# Altium PCB MB1272C.PcbDoc (part 3 of 10)
Units mm, origin at the board's own origin, x right, y up, seen from the top; angles counter-clockwise.
Board outline 101 x 71 mm, 6 copper layers (Top Layer, Signal Layer 1, Signal Layer 2, Signal Layer 3, Signal Layer 4, Bottom Layer), stack 1.552 mm thick; 520 components, 478 nets, 2156 pads, 1894 vias.
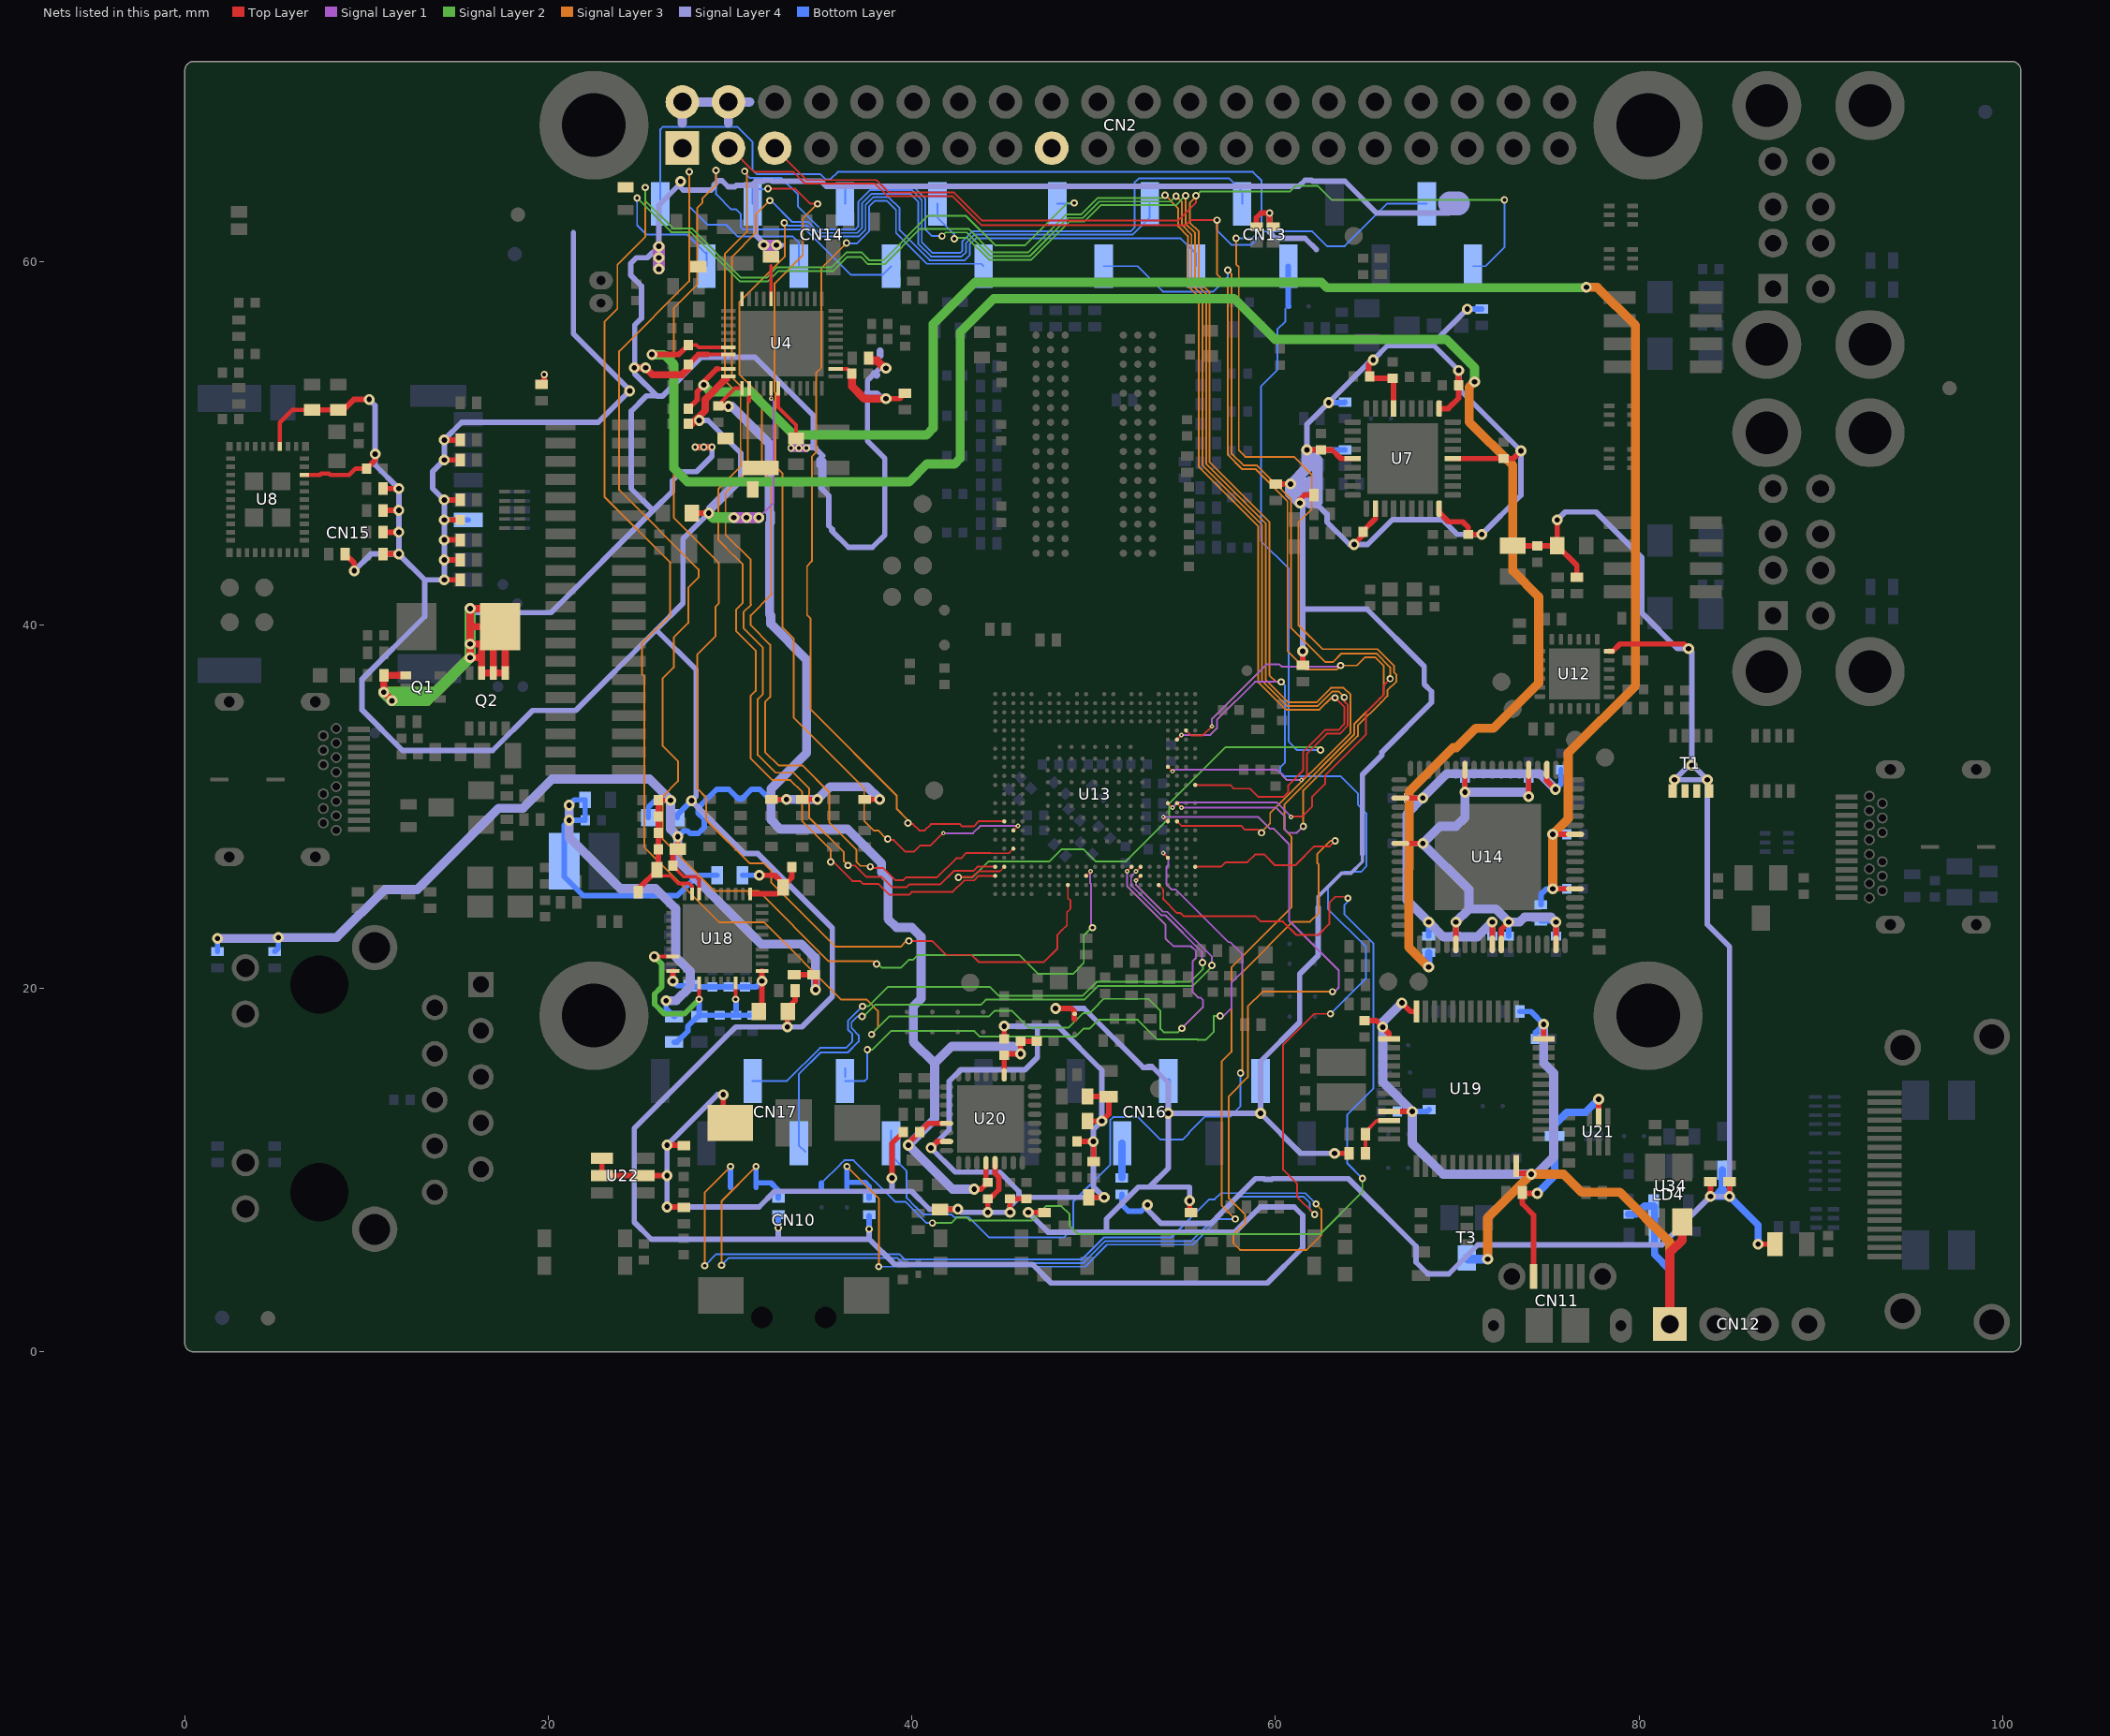
[diagram p7: the nets of this part, all layers, seen from the top]

## Part data (continued)
U1 U2 U6 U9 U29: library part MCD-00649, "Common mode filter with ESD protection for USB 2.0 interface", Manufacturer=STMICROELECTRONICS, Manufacturer_Part_Number=ECMF02-2AMX6, BMS_Part_Number=9151138, ComponentLink1Description=Datasheet, ComponentLink1URL=http://tunmcdsvn.tun.st.com/Component_Datasheet_Library/Trunk/Diodes/STM_ESD_ECMF02-2AMX6, ECCN_EU=NEC, ECCN_US=EAR99, Initial_Board_Reference=MB1248, Internal_Part_Number=MCD-00649, Part_Type=Diode, Provided_By="SUBCO with ST control", Status=Released
U3 U11: library part MCD-00123, "IC,Dual-Channel-Power-Switch,500mA,100mR,SO8", Manufacturer=STMICROELECTRONICS, BMS_Part_Number=9159012, ComponentLink1Description=Datasheet, ComponentLink1URL=http://tunmcdsvn.tun.st.com/Component_Datasheet_Library/Trunk/IC/STM_PWR_switch_STMPS2252MTR, ECCN_EU=NEC, ECCN_US=EAR99, Initial_Board_Reference=MB1262, Internal_Part_Number=MCD-00123, Manufacturer_Part_Number=STMPS2252MTR, Part_Type=IC, Provided_By="SUBCO with ST control", Status=Released
U4: library part MCD-01650, "ST PMIC:  4 step-down + 1 advanced boost SMPS, 6 LDOs, 2 pwr switches, DDR Vref, NVM option 'A' for IO@3.3V", Manufacturer=STMICROELECTRONICS, Manufacturer_Part_Number=STPMU1APQR, BMS_Part_Number=9177718, ComponentLink1Description=Datasheet, ComponentLink1URL=http://tunmcdsvn.tun.st.com/Component_Datasheet_Library/Trunk/IC/STM_PMIC_LuftBurg_5x6_44L_20_01_2016, ECCN_EU=n/a, ECCN_US=n/a, Initial_Board_Reference=MB1263, Internal_Part_Number=MCD-00303, Part_Type=IC, Provided_By="SUBCO with ST control", Status=Checked
U5: library part MCD-00207, "Memory,DDR3L,4Gb,256Mbx16,1866MT/s,1V35,FBGA96", Manufacturer=MICRON, Manufacturer_Part_Number=MT41K256M16TW-107-P-V00H, ComponentLink1Description=Datasheet, ComponentLink1URL=http://tunmcdsvn.tun.st.com/Component_Datasheet_Library/Trunk/IC/Micron_4Gb_DDR3L_MT41K256M16TW-107P-V00H, ECCN_EU=n/a, ECCN_US=n/a, Initial_Board_Reference=MB1263, Internal_Part_Number=MCD-00207, Part_Type=IC, Provided_By=SUBCO, Status=Released
U7: library part MCD-00145, "USB HUB 2,0 Controller", Manufacturer=MICROCHIP, ComponentLink1Description=Datasheet, ComponentLink1URL="http://tunmcdsvn.tun.st.com/Component_Datasheet_Library/Trunk/IC/Microchip_HS Hub Controller_USB2514B-AEZC", ECCN_EU=NEC, ECCN_US=EAR99, Initial_Board_Reference=MB1262, Internal_Part_Number=MCD-00145, Manufacturer_Part_Number=USB2514B-AEZC, Part_Type=IC, Provided_By=SUBCO, Status=Released
U8: library part MCD-00268, "IEEE802.11b/g/n W-LAN + Bluetooth 4.1+EDR module", Manufacturer=MURATA, ComponentLink1Description=Datasheet, ComponentLink1URL=http://tunmcdsvn.tun.st.com/Component_Datasheet_Library/Trunk/IC/MURATA_LBEE5KL1DX_wifi_BLE, ECCN_US=5A992C, Initial_Board_Reference=MB1272, Internal_Part_Number=MCD-00268, Manufacturer_Part_Number=LBEE5KL1DX-883, Part_Type=IC, Provided_By=SUBCO, Status=Checked
U10 U26: library part MCD-00667, "4-line ESD protection for high speed lines", Manufacturer=STMICROELECTRONICS, Package=uQFN-10L, BMS_Part_Number=9179041, ComponentLink1Description=Datasheet, ComponentLink1URL=http://tunmcdsvn.tun.st.com/Component_Datasheet_Library/Trunk/Diodes/STM_ESD_HSP051-4M10, ECCN_EU=NEC, ECCN_US=EAR99, Initial_Board_Reference=MB1331, Internal_Part_Number=MCD-00667, Manufacturer_Part_Number=HSP051-4M10, Part_Type=Diode, Provided_By="SUBCO with ST control", Status=Checked
U12: library part MCD-00676, "USB Type-C controller with VCONN switch", Manufacturer=STMICROELECTRONICS, Manufacturer_Part_Number=STUSB1600AQTR, BMS_Part_Number=9158053, ComponentLink1Description=Datasheet, ComponentLink1URL=http://tunmcdsvn.tun.st.com/Component_Datasheet_Library/Trunk/IC/STM_usbtypeC_controller_STUSB1600, ECCN_EU=n/a, ECCN_US=n/a, Initial_Board_Reference=MB1272, Internal_Part_Number=MCD-00676, Part_Type=IC, Provided_By="SUBCO with ST control", Status="Footprint available"
U13: library part MCD-02020, "MPU TFBGA12x12 without crypto increased frequency", Manufacturer=STMICROELECTRONICS, BMS_Part_Number=9175503, ComponentLink1Description=Datasheet, ComponentLink1URL=http://tunmcdsvn.tun.st.com/Component_Datasheet_Library/Trunk/IC/STM_MPU_12x12_POA_DM00342580_POA12x12, ECCN_EU=TBD, ECCN_US=TBD, Initial_Board_Reference=MB1272, Internal_Part_Number=MCD-00677, Manufacturer_Part_Number=STM32MP157CAC3, Part_Type=IC, Provided_By="SUBCO with ST control", Status="Footprint available"
U14: library part MCD-00267, "HDMI Transmitter, 72-pin 10 × 10 mm QFN", Manufacturer=LATTICE, Manufacturer_Part_Number=SiI9022ACNU, ComponentLink1Description=Datasheet, ComponentLink1URL=http://tunmcdsvn.tun.st.com/Component_Datasheet_Library/Trunk/IC/LATTICE_SiI9022ACNU_HDMI_Transmitter, Initial_Board_Reference=MB1272, Internal_Part_Number=MCD-00267, Part_Type=IC, Provided_By=SUBCO, Status=Checked
U15 U17: library part MCD-01125, "DUAL TRANSIL ARRAY FOR ESD PROTECTION", Manufacturer=STMICROELECTRONICS, Manufacturer_Part_Number=ESDA25L, Package=ESD_SOT23, BMS_Part_Number=9151131, ComponentLink1Description=Datasheet, ComponentLink1URL=http://tunmcdsvn.tun.st.com/Component_Datasheet_Library/Trunk/Diodes/STM_ESD_ESDA25L, ECCN_EU=NEC, ECCN_US=EAR99, Initial_Board_Reference=MB1272, Internal_Part_Number=MCD-01125, Part_Type=Diode, Provided_By="SUBCO with ST control", Status=Checked
U16 U23 U24 U25 U27 U28 U30: library part MCD-01026, "High power transient voltage suppressor", Manufacturer=STMICROELECTRONICS, Manufacturer_Part_Number=ESDA7P120-1U1M, Package=QFN1610, BMS_Part_Number=9179046, ComponentLink1Description=Datasheet, ComponentLink1URL=http://tunmcdsvn.tun.st.com/Component_Datasheet_Library/Trunk/Diodes/STM_ESD_ESDA7P120-1U1M, ECCN_EU=NEC, ECCN_US=EAR99, Initial_Board_Reference=MB1378, Internal_Part_Number=MCD-01026, Part_Type=Diode, Provided_By="SUBCO with ST control", Status=Released
U18: library part MCD-01130, "10/100/1000M GIGABIT Ethernet Transceiver, QFN40 , SMPS version", Manufacturer=REALTEK, ComponentLink1Description=Datasheet, ComponentLink1URL=http://tunmcdsvn.tun.st.com/Component_Datasheet_Library/Trunk/IC/REALTEK_RTL8211F_RGMII_phy, ECCN_EU=n/a, ECCN_US=n/a, Initial_Board_Reference=MB1272, Internal_Part_Number=MCD-01130, Manufacturer_Part_Number=RTL8211F-CG, Part_Type=IC, Provided_By=SUBCO, Status=Checked
U19: library part MCD-00085, "Medium-density performance line ARM-based 32-bit MCU with 128KB Flash", Manufacturer=STMICROELECTRONICS, Manufacturer_Part_Number=STM32F103CBT6, BMS_Part_Number=9175111, ComponentLink1Description=Datasheet, ComponentLink1URL=http://tunmcdsvn.tun.st.com/Component_Datasheet_Library/Trunk/IC/STM_STM32F103CBT6, ECCN_EU=NEC, ECCN_US=3A991A2, Initial_Board_Reference=mb1274, Internal_Part_Number=MCD-00085, Part_Type=IC, Provided_By="SUBCO with ST control", Status=Released
U20: library part MCD-00265, "Low-Power, Stereo Codec with Headphone Amp", Manufacturer="CIRRUS LOGIC", Manufacturer_Part_Number=CS42L51-CNZ, ComponentLink1Description=Datasheet, ComponentLink1URL="http://tunmcdsvn.tun.st.com/Component_Datasheet_Library/Trunk/IC/Cirrus Logic_CS42L51", ECCN_EU=NEC, ECCN_US=EAR99, Initial_Board_Reference=MB1272, Internal_Part_Number=MCD-00265, Part_Type=IC, Provided_By=SUBCO, Status=Released
U21: library part MCD-00169, "USB OTG FS ESD protection", Manufacturer=STMICROELECTRONICS, Manufacturer_Part_Number=USBLC6-2P6, BMS_Part_Number=9151057, ComponentLink1Description=Datasheet, ComponentLink1URL=http://tunmcdsvn.tun.st.com/Component_Datasheet_Library/Trunk/Diodes/STM_ESD_USBLC6-2, ECCN_EU=NEC, ECCN_US=EAR99, Initial_Board_Reference=MB1274, Internal_Part_Number=MCD-00169, Part_Type=IC, Provided_By="SUBCO with ST control", Status=Released
U22: library part MCD-00247, "Quad Bidir ESD protection", Manufacturer=STMICROELECTRONICS, Manufacturer_Part_Number=ESDA6V1BC6, BMS_Part_Number=9179038, ComponentLink1Description=Datasheet, ComponentLink1URL=http://tunmcdsvn.tun.st.com/Component_Datasheet_Library/Trunk/Diodes/STM_ESD_ESDA6V1BC6, ECCN_EU=NEC, ECCN_US=EAR99, Initial_Board_Reference=MB1311, Internal_Part_Number=MCD-00247, Part_Type=Diode, Provided_By="SUBCO with ST control", Status=Released
U31 U32: library part MCD-00297, "ESD protection & Common Filter High Speed serial Interfaces", Manufacturer=STMICROELECTRONICS, Manufacturer_Part_Number=ECMF04-4HSWM10, BMS_Part_Number=9151127, ComponentLink1Description=Datasheet, ComponentLink1URL=http://tunmcdsvn.tun.st.com/Component_Datasheet_Library/Trunk/Diodes/STM_ESD_ECMF04-4HSWM10, ECCN_EU=n/a, ECCN_US=n/a, Initial_Board_Reference=MB1272, Internal_Part_Number=MCD-00297, Part_Type=Diode, Provided_By="SUBCO with ST control", Status=Checked
U33: library part MCD-01457, "ESD protection , 5 lines", Manufacturer=STMICROELECTRONICS, Package=QFN, ComponentLink1Description=Datasheet, ComponentLink1URL=http://tunmcdsvn.tun.st.com/Component_Datasheet_Library/Trunk/Diodes/STM_ESD_ESDALC6V1-5M6/STM_ESD_ESDALC6V1-5M6.pdf, Initial_Board_Reference=MB1272B, Internal_Part_Number=MCD-01457, Manufacturer_Part_Number=ESDALC6V1-5M6, Part_Type=Diode, Provided_By=SUBCO, Status="Footprint available"
U34: library part MCD-00086, "Ultra low drop-low noise BiCMOS voltage, regulators low ESR capacitors compatible", Manufacturer=STMICROELECTRONICS, Manufacturer_Part_Number=LD3985M33R, BMS_Part_Number=9176161, ComponentLink1Description=Datasheet, ComponentLink1URL=http://tunmcdsvn.tun.st.com/Component_Datasheet_Library/Trunk/IC/STM_LDO_LD3985, ECCN_EU=NEC, ECCN_US=EAR99, Initial_Board_Reference=mb1274, Internal_Part_Number=MCD-00086, Part_Type=IC, Provided_By="SUBCO with ST control", Status=Released
U35: library part MCD-00170, "ESD protection 6V1", Manufacturer=STMICROELECTRONICS, Manufacturer_Part_Number=ESDALC6V1-1U2, BMS_Part_Number=9151132, ComponentLink1Description=Datasheet, ComponentLink1URL=http://tunmcdsvn.tun.st.com/Component_Datasheet_Library/Trunk/Diodes/STM_ESD_ESDALC6V1-1U2, ECCN_EU=NEC, ECCN_US=EAR99, Initial_Board_Reference=MB1274, Internal_Part_Number=MCD-00170, Part_Type=Diode, Provided_By="SUBCO with ST control", Status=Released
X1: library part MCD-01036, "Crystal 24MHz, 6pF, +-20ppm, 80ohms max, SMD", Manufacturer=NDK, Manufacturer_Part_Number="NX2016SA 24MHz EXS00A-CS10820", Package="(2016) 2.0 x 1.6 x 0.45 mm", BMS_Part_Number=9157045, ComponentLink1Description=Datasheet, ComponentLink1URL="http://tunmcdsvn.tun.st.com/Component_Datasheet_Library/Trunk/Crystal_Osc/NDK_NX2016SA 24MHz EXS00A-CS10820 (EXS10B-27366B)", Internal_Part_Number=MCD-01036, Part_Type=Crystal_Osc, Provided_By=SUBCO, Status=Checked
X2: library part MCD-01463, "Crystal 25Mhz, 10pF, -+50PPM, SMD", Manufacturer=NDK, Manufacturer_Part_Number="NX3225GA 25MHz EXS00A-CG06750", Package=3225, ComponentLink1Description=Datasheet, ComponentLink1URL="http://tunmcdsvn.tun.st.com/Component_Datasheet_Library/Trunk/Crystal_Osc/NDK_NX3225GA 25Mhz  EXS00A-CG06750/NDK_NX3225GA 25MHz EXS00A-CG06750.pdf", Initial_Board_Reference=MB1272B, Internal_Part_Number=MCD-01463, Part_Type=Crystal_Osc, Provided_By=SUBCO, Remark="footprint same as CRY_NX3225HA_4P", Status="Footprint available"
X4: library part MCD-01479, "Crystal 32.768kHz, 6pF, -+20PPM, R=80K, SMD", Manufacturer=NDK, Manufacturer_Part_Number="NX2012SA 32.768KHz EXS00A-MU00527", Package=NX2012SA, ComponentLink1Description=Datasheet, ComponentLink1URL="http://tunmcdsvn.tun.st.com/Component_Datasheet_Library/Trunk/Crystal_Osc/NDK_NX2012SA 32.768KHz EXS00A-MU00527", Initial_Board_Reference=MB1373, Internal_Part_Number=MCD-01479, Item Type=Item, Part_Type=Crystal_Osc, Path=ws/MCD_ApplicationBoards/Lists/MCDPARTSdatabase, Provided_By=SUBCO, Status=Checked
X5: library part MCD-00092, "Crystal 8Mhz, 8pF, -+50PPM, SMD", Manufacturer=NDK, Manufacturer_Part_Number="NX3225GD 8MHz EXS00A-CG04874", BMS_Part_Number=9157029, ComponentLink1Description=Datasheet, ComponentLink1URL="http://tunmcdsvn.tun.st.com/Component_Datasheet_Library/Trunk/Crystal_Osc/NDK_Crystal-For-ST_NX3225GD 8MHz EXS00A-CG04874 (EXS10B-20725)", ECCN_EU=NEC, ECCN_US=EAR99, Initial_Board_Reference=mb1274, Internal_Part_Number=MCD-00092, Part_Type=Crystal_Osc, Provided_By=SUBCO, Status=Released
X6: library part MCD-01627, "Oscillator 24Mhz, +-50ppm, Vcc:3.3V typ (1.62V min), square wave: [0.1Vcc;0.9Vcc], Enable pin", Manufacturer=NDK, Manufacturer_Part_Number="NZ2016SH 24MHz END4869F", Package=2.0x1.6x0.7mm, ComponentLink1Description=Datasheet, ComponentLink1URL="http://tunmcdsvn.tun.st.com/Component_Datasheet_Library/Trunk/Crystal_Osc/NDK_NZ2016SH 24MHz END4869F", Internal_Part_Number=MCD-01627, Part_Type=Crystal_Osc, Provided_By=SUBCO, Status="Footprint available"

## Free pads (board coordinates)
  round 0.508 on Mech16: 1(25.738,-17.565) 1(74.585,-17.565)

## Via types
v1: diameter 0.4, hole 0.2, Top Layer to Bottom Layer, tented both sides, 912 vias
v2: diameter 0.25, hole 0.1, Top Layer to Signal Layer 1, tented top, 493 vias
v3: diameter 0.6, hole 0.3, Top Layer to Bottom Layer, tented both sides, 452 vias
v4: diameter 0.25, hole 0.1, Top Layer to Signal Layer 1, tented both sides, 37 vias

## Nets (pads, with @x,y where several pads share a name; then routed paths per layer and width w, separated by ;. In a path a pad name is that pad's centre, name@x,y a point inside that pad or via, vN(x,y) a via of type N, cw(c..) or ccw(c..) an arc to the next point about the centre after c; other vN are vias at no path point)
1V2_CVCC12: C141.2 C142.2 C164.2 C169.2 C170.2 C172.2 R152.1 U14.5 U14.12 U14.26 U14.42 U14.47 U14.53 | length 32.5
  Top Layer w0.3: U14.26@66.875,27.975 v3(68.1,27.975) ; U14.42@69.925,22.425 v3(69.925,23.65) ; v3(70.425,30.8) U14.12@70.425,32.025 ; U14.47@72.425,22.425 72.425,23.25 v3(72.825,23.65) ; U14.5@73.925,32.025 73.925,30.555 v3(73.929,30.551) v3@73.929,30.521 ; U14.53@75.425,22.425 v3(75.425,23.65)
  Signal Layer 4 w0.5: v3(69.925,23.65) 70.64,24.365 ; v3(73.929,30.551) 73.68,30.8 v3(70.425,30.8) 70.425,29.41 69.93,28.915 69.04,28.915 v3(68.1,27.975) 70.64,25.435 70.64,24.365 ; v3(75.425,23.65) 75.16,23.915 74.163,23.915 74.153,23.925 73.697,23.925 73.422,23.65 v3(72.825,23.65) 72.825,23.669 72.129,24.365 70.64,24.365
  Bottom Layer w0.3: C164.2@67.325,27.975 v3(68.1,27.975) ; C172.2@69.925,22.875 v3(69.925,23.65) ; v3(70.425,30.8) C142.2@70.425,31.575 ; C170.2@72.825,22.875 v3(72.825,23.65) ; C141.2@73.925,31.575 73.925,30.555 v3(73.929,30.551) ; R152.1@74.6,23.7 75.375,23.7 v3(75.425,23.65) C169.2@75.425,22.875
1V2_HDMI: C31.2 C160.2 C168.2 R152.2 U4.21 U14.60 U14.66 | length 104.9
  Top Layer w0.2: 29.325,54.075 U4.21@29.9,54.075
  Top Layer w0.3: C31.2@27.7,51.9 28.185,52.385 28.185,52.835 v3(28.55,53.2) 28.55,53.375 29.25,54.075 29.325,54.075 ; v3(75.25,25.475) U14.60@76.475,25.475 ; v3(75.25,28.475) U14.66@76.475,28.475
  Signal Layer 2 w0.5: v3(28.55,53.2) 28.925,52.825 31.125,52.825 33.5,50.45 40.8,50.45 41.175,50.825 41.175,56.55 43.475,58.85 62.525,58.85 62.825,58.55 77.075,58.55 v3(77.1,58.575)
  Signal Layer 3 w0.5: v3(75.25,25.475) v3(75.25,28.475) 76.1,29.325 76.1,32.95 79.8,36.65 79.8,56.475 77.7,58.575 v3(77.1,58.575)
  Signal Layer 4 w0.5: v3(75.25,25.475) v3(75.25,28.475)
  Bottom Layer w0.3: R152.2@74.6,24.6 74.6,25.175 74.9,25.475 v3(75.25,25.475) C168.2@76.025,25.475 ; v3(75.25,28.475) C160.2@76.025,28.475
1V05_AVDD_GMII: C177.2 C178.2 C179.2 C180.2 R160.1 U18.3 U18.8 U18.38 | length 15.7
  Top Layer w0.2: v3(25.825,21.75) U18.38@26.85,21.75 ; v1(28.3,19.4) U18.3@28.3,20.3 ; v1(30.3,19.4) U18.8@30.3,20.3
  Signal Layer 2 w0.3: v3(25.825,21.75) 26.225,21.35 26.225,20.075 25.85,19.7 25.85,19.125 26.375,18.6 27.5,18.6 v1(28.3,19.4)
  Bottom Layer w0.3: R160.1@26.925,17.05 27.075,17.05 27.675,17.65 27.675,17.925 28.2,18.45 C180.2@28.3,18.45 ; v1(28.3,19.4) C180.2@28.3,18.45 ; v1(30.3,19.4) 30.325,19.375 C178.2@30.325,18.525 ; C177.2@31.225,18.525 C178.2@30.325,18.525 ; C180.2@28.3,18.45 28.375,18.525 C179.2@29.425,18.525 C178.2@30.325,18.525
1V05_DVDD_GMII: C81.2 C85.2 R151.1 U18.21 | length 5.9
  Top Layer w0.3: U18.21@31.1,25.2 32.575,25.2 C85.2@32.925,25.55 C85.2@32.925,25.625 ; v3(31.6,26.225) 32.45,26.225 32.925,25.75 C85.2@32.925,25.625 ; C81.2@33.4,26.675 33.4,26.1 C85.2@32.925,25.625
  Bottom Layer w0.3: R151.1@30.675,26.225 v3(31.6,26.225)
1V05_GMII: C151.2 C157.2 LE1.2 R151.2 R160.2 | length 32.9
  Signal Layer 4 w0.5: v3(21.15,30.075) v3(21.15,29.25) 21.15,28.295 23.955,25.49 25.9,25.49 27.005,24.385 27.005,21.74 27.805,20.94 27.805,20.09 27.04,19.325 v3(26.475,19.325)
  Bottom Layer w0.3: v3(26.475,19.325) 26.475,18.9 R160.2@26.925,18.45 ; R151.2@29.275,26.225 28.225,26.225 27.1,25.1 21.925,25.1 20.875,26.15 LE1.2@20.875,27 20.875,28.975 v3(21.15,29.25) ; v3(21.15,29.25) C157.2@22.025,29.25 C151.2@22.025,30.375 21.425,30.375 21.15,30.1 v3(21.15,30.075) v3(21.15,29.25)
1V8_AUDIO: C33.2 C94.2 C95.2 C97.2 C102.2 C107.2 U4.23 U20.5 U20.12 U20.27 | length 71.1
  Top Layer w0.2: C33.2@29.35,52.05 29.35,52.1 30.275,53.025 U4.23@30.65,53.025
  Top Layer w0.3: v3@29.675,52 v3@29.675,52.025 ; v3@29.725,52.025 29.75,52 29.775,52.025 v3(29.9,52.025) ; v3(39.8,11.375) 39.9,11.375 39.9,11.575 C102.2@40.425,12.1 40.9,12.575 U20.5@41.9,12.575 ; v3(43.425,8.95) 43.8,8.95 C107.2@44.175,9.325 44.075,9.425 U20.12@44.075,10.4 ; U20.27@45.075,15.25 C97.2@45.075,16.325 45.15,16.4 v3(45.975,16.4) C94.2@45.975,17.1 C95.2@46.875,17.1
  Top Layer w0.4: v3@29.675,52.025 29.725,52.025 v3@29.775,52.025
  Signal Layer 4 w0.5: v3(29.9,52.025) 30.1,52.025 32.16,49.965 32.16,46.234 32.225,46.169 32.225,45.631 32.175,45.581 32.175,40.573 32.23,40.518 32.23,40.062 34.205,38.087 34.205,32.94 32.255,30.99 32.255,29.265 32.755,28.765 36.455,28.765 38.33,26.89 38.33,26.39 38.68,26.04 38.68,23.825 39.155,23.35 40,23.35 40.505,22.845 40.505,19.43 40.078,19.003 40.078,17.05 41.25,15.878 ; v3(43.425,8.95) 42.225,8.95 v3(39.8,11.375) 41.25,12.825 41.25,15.878 ; v3(45.975,16.4) 45.56,16.815 42.187,16.815 41.25,15.878
3V3: C21.2 C23.2 C28.2 C29.2 C30.2 C38.2 C39.2 C40.2 C42.2 C45.2 C49.2 C50.2 C54.2 CN2.1 CN2.17 CN15.4 CN16.2 CN16.4 L5.2 L7.1 L10.2 L11.2 R1.1 R2.1 R11.1 R14.2 R16.2 R17.1 R18.2 R19.2 R20.1 R22.1 R25.2 R26.1 R27.1 R28.2 R33.2 R40.1 R94.1 R105.2 R106.2 R114.2 R127.2 R134.2 R140.2 R166.1 R167.1 R300.1 R600.1 SB5.1 U4.22 U4.27 U7.5 U7.10 U7.15 U7.23 U7.29 U7.36 U8.30 U8.36 | length 408.7
  Top Layer w0.1: v2(32.25,52.45) U4.27@32.25,53.025
  Top Layer w0.2: 29.725,53.5 U4.22@29.9,53.675 29.9,53.491
  Top Layer w0.25: U8.36@5.225,49.825 5.225,51.125 5.925,51.825 C28.2@7,51.825 ; U8.30@6.575,48.25 7.433,48.25 7.508,48.325 7.942,48.325 8.017,48.25 9.05,48.25 9.4,48.6 C45.2@10,48.6
  Top Layer w0.3: C28.2@7,51.825 C29.2@8.45,51.825 8.725,51.825 9.3,52.4 v3(10.15,52.4) ; R26.1@8.825,43.9 9.325,43.4 v3(9.325,42.975) ; C45.2@10,48.6 10.475,49.075 v3(10.475,49.4) ; R27.1@10.9,43.9 v3(11.775,43.9) ; R22.1@10.9,45.1 v3(11.775,45.1) ; R20.1@10.9,46.3 v3(11.775,46.3) ; R17.1@10.9,47.5 v3(11.775,47.5) ; v3@14.25,45.775 C49.2@15.15,45.775 ; v3(14.275,42.475) R33.2@15.15,42.475 ; v3(14.275,43.575) R28.2@15.15,43.575 ; v3(14.275,44.675) R25.2@15.15,44.675 ; v3(14.275,46.875) R19.2@15.15,46.875 ; v3(14.275,49.075) R16.2@15.15,49.075 ; v3(14.275,50.175) R14.2@15.15,50.175 ; R11.1@19.625,53.225 19.775,53.375 v1(19.775,53.775) ; L7.1@27.9,46.15 v3(28.825,46.15) ; 29.625,53.5 29.725,53.5 ; v3(33.15,17.875) 33.15,18.9 33.575,19.325 R300.1@33.575,19.75 ; v3(46.4,7.675) R105.2@47.3,7.675 ; v3(47.9,18.9) 48.775,18.9 48.925,18.75 48.925,18.3 ; v3(55.28,8.315) 55.28,7.745 R106.2@55.35,7.675 ; R1.1@58.95,61.9 58.95,62.4 59.205,62.655 v1(59.675,62.655) 59.675,62.1 R2.1@59.875,61.9 ; R600.1@60.006,47.75 v3(60.825,47.75) ; v3(61.35,46.7) 61.35,46.9 61.6,47.15 R18.2@62.125,47.15 ; R40.1@61.5,37.775 v3(61.5,38.55) ; v3(61.725,49.625) C38.2@62.5,49.625 63.125,49.625 63.6,49.15 U7.23@64.25,49.15 ; v3(63.25,10.925) R94.1@64.05,10.925 ; v3(64.325,44.425) 64.325,44.45 64.825,44.95 C50.2@64.825,45.125 64.825,45.175 65.5,45.85 U7.29@65.5,46.4 ; v3(65.375,54.575) 65.125,54.325 65.125,53.775 65.325,53.575 C21.2@66.45,53.575 66.5,53.525 U7.15@66.5,51.9 ; U7.36@69,46.4 69,46.2 69.525,45.675 70.3,45.675 70.6,45.375 C54.2@70.6,44.975 v3(71.35,44.975) ; U7.10@69,51.9 69.5,51.9 70.075,52.475 C30.2@70.075,53.175 v3(70.075,54) ; U7.5@69.75,49.15 C40.2@72.55,49.15 73.075,49.15 v3(73.5,49.575)
  Top Layer w0.4: C39.2@27.7,51.075 27.9,51.075 28.635,51.81 28.635,52.41 29.725,53.5
  Signal Layer 1 w0.1: v3(31.575,45.9) 32.4,46.725 32.4,52.3 v2(32.25,52.45)
  Signal Layer 1 w0.6: v3(30.2,45.9) v3(30.9,45.9) v3(31.575,45.9)
  Signal Layer 2 w0.6: v3(28.825,46.15) 29.075,45.9 v3(30.2,45.9) v3(30.9,45.9) v3(31.575,45.9)
  Signal Layer 3 w0.6: v3(30.2,45.9) v3(30.9,45.9) v3(31.575,45.9)
  Signal Layer 4 w0.2: 62.355,24.455 62.355,25.056 63.639,26.34 64.15,26.34 64.78,26.97 64.78,27.39
  Signal Layer 4 w0.3: v3(9.325,42.975) 10.25,43.9 v3(11.775,43.9) ; v3(10.15,52.4) 10.475,52.075 v3(10.475,49.4) 10.475,48.8 v3(11.775,47.5) v3(11.775,46.3) v3(11.775,45.1) v3(11.775,43.9) ; 21.38,61.58 21.38,56.02 24.475,52.925 v3(24.475,52.875) 22.74,51.14 15.24,51.14 v3(14.275,50.175) v3(14.275,49.075) 13.63,48.43 13.63,47.52 v3(14.275,46.875) v3(14.275,45.775) v3(14.275,44.675) v3(14.275,43.575) v3(14.275,42.475) 13.2,42.475 ; v3(28.3,51.25) 28.786,51.25 30.59,49.446 30.59,47.915 v3(28.825,46.15) ; 29.9,47.5 28.825,46.425 v3(28.825,46.15) ; v3(31.575,45.9) 31.55,45.925 29.155,45.925 29.027,46.052 28.975,46 v3(28.825,46.15) ; v1(32.65,6.825) 32.65,6.2 ; v1(37.65,6.755) 37.65,6.21 ; v3(46.4,7.675) 47.485,6.59 49.98,6.59 50.68,6.59 ; v3(47.9,18.9) 49.47,18.9 52.72,15.65 53.15,15.65 53.2,15.7 ; 52.964,15.7 53.2,15.7 ; v3(55.28,8.315) 55.28,9.045 55.26,9.065 53.06,9.065 ; v1(59.675,62.655) 59.675,61.6 60,61.275 61.625,61.275 62.25,60.65 ; v3(61.5,38.55) 61.5,40.99 ; v3(61.725,49.625) 61.725,51.025 v3(62.925,52.225) 65.275,54.575 v3(65.375,54.575) 66.165,55.365 68.71,55.365 ; 62.355,24.455 62.355,21.815 61.33,20.79 61.33,18.14 59.18,15.99 v3(59.18,13.125) ; v3(63.25,10.925) 61.38,10.925 v3(59.18,13.125) ; 64.78,27.39 64.78,31.765 65.857,32.842 65.857,33.004 68.58,35.726 68.58,36.34 68.18,36.74 68.18,37.715 65.03,40.865 61.625,40.865 61.5,40.99 ; v3(70.55,57.375) 68.71,55.535 68.71,55.365 ; v3(11.775,43.9) 13.2,42.475 ; 13.2,42.475 13.2,40.46 9.755,37.015 9.755,35.315 11.98,33.09 16.93,33.09 19.13,35.29 21.505,35.29 25.93,39.715 ; 25.93,39.715 25.955,39.715 28.13,37.54 28.13,30.58 v3(27.875,30.325) 30.785,27.415 31.53,27.415 35.625,23.32 35.625,19.55 33.95,17.875 v3(33.15,17.875) 30.315,17.875 30.308,17.883 24.73,12.305 24.73,7.14 25.67,6.2 32.65,6.2 ; 25.93,39.715 27.405,41.19 27.405,44.73 v3(28.825,46.15) ; 32.65,6.2 37.65,6.2 37.65,6.21 ; 37.65,6.21 39.045,4.815 46.63,4.815 47.655,3.79 59.555,3.79 61.5,5.735 61.5,7.511 61.036,7.975 59.165,7.975 57.78,6.59 50.68,6.59 ; 50.68,6.59 50.697,6.607 50.697,7.307 52.455,9.065 53.06,9.065 ; 53.06,9.065 54.1,10.105 v3(54.1,13.125) ; 53.2,15.7 54.1,14.8 v3(54.1,13.125) ; v3(54.1,13.125) v3(59.18,13.125) ; 61.5,40.99 61.5,46.55 v3(61.35,46.7) 61.875,46.7 62.22,46.7 62.83,46.09 62.83,45.665 64.07,44.425 v3(64.325,44.425) 65.065,44.425 66.43,45.79 69.18,45.79 69.995,44.975 v3(71.35,44.975) 73.5,47.125 v3(73.5,49.575) 73.497,49.575 70.075,52.997 v3(70.075,54) 68.71,55.365
  Signal Layer 4 w0.6: v3@60.85,47.7 61.25,47.3 61.275,47.3 ; v3(61.35,46.7) 60.825,47.225 v3(60.825,47.75) v3@60.85,47.725 ; 61.875,46.7 61.275,47.3 ; 62.22,46.7 62.3,46.78 62.3,49.05 v3(61.725,49.625) 61.725,48.6 v3@60.85,47.725 ; v3@60.85,47.725 61.75,47.725 61.9,47.875 61.9,47.3 61.275,47.3 ; v3@60.85,47.725 61.275,47.3
  Bottom Layer w0.3: v3(14.275,45.775) CN15.4@15.6,45.775 ; L11.2@27.1,29.4 27.1,29.55 v3(27.875,30.325) ; v1(32.65,6.825) R167.1@32.65,7.55 ; v1(37.65,6.755) R166.1@37.65,7.48 ; v3(54.1,13.125) CN16.4@54.1,14.904 ; v3(59.18,13.125) CN16.2@59.18,14.904 ; v3(60.825,47.75) R140.2@61.55,47.75 ; v3(61.725,49.625) R134.2@63.825,49.625 ; v3(62.925,52.225) 63.8,52.225 R127.2@63.825,52.25 ; v3(70.55,57.375) R114.2@71.35,57.375
  Bottom Layer w0.6: v3(30.2,45.9) v3(30.9,45.9) v3(31.575,45.9)
3V3_AVDD_GMII: C173.2 C174.2 C175.2 C176.2 L10.1 U18.11 U18.40 | length 7.8
  Top Layer w0.3: v3(26.85,20.4) U18.40@26.85,20.95 ; L10.1@31.75,18.9 v3(31.75,20.4) U18.11@31.75,20.95
  Bottom Layer w0.3: v3(26.85,20.4) 27.1,20.15 C173.2@27.9,20.15 27.975,20.075 C176.2@29.025,20.075 C175.2@29.925,20.075 C174.2@30.825,20.075 31.425,20.075 v3(31.75,20.4)
3V3_DVDD_GMII: C74.2 C75.2 C76.1 C77.2 C78.2 C79.2 C80.2 L11.1 R52.2 R53.2 R55.2 R65.2 R75.2 R76.2 R156.1 R157.2 U18.28 U18.29 | length 80.1
  Top Layer w0.2: C80.2@25.975,26.525 25.975,26.5 25.975,26.275 26.05,26.2 26.725,26.2 27.15,25.775 27.75,25.775 27.9,25.625 U18.29@27.9,25.2 ; C79.2@26.8,26.7 C79.2@26.85,26.75 27.45,26.15 28.125,26.15 28.3,25.975 U18.28@28.3,25.2
  Top Layer w0.3: R65.2@24.95,25.3 24.95,25.475 C80.2@25.975,26.5 ; C80.2@25.975,26.525 26.05,26.6 C78.2@26.05,27.65 C77.2@26.05,28.55 C75.2@26.05,29.45 C74.2@26.05,30.35 v3(26.725,30.35) ; C79.2@26.85,26.75 26.85,27.4 C76.1@27.125,27.675 27.125,28.35 v3(27.126,28.351) ; R52.2@32.275,30.4 v3(33.1,30.4) ; R75.2@33.525,20.75 R76.2@34.6,20.75 34.58,20.73 34.7,20.61 v3(34.7,19.925) ; R53.2@33.975,30.4 v3(34.8,30.4) ; R55.2@37.4,30.4 v3(38.225,30.4)
  Signal Layer 4 w0.5: v3(1.8,22.75) 5.1,22.75 v3(5.15,22.8) 8.365,22.8 11.005,25.44 12.79,25.44 17.265,29.915 18.605,29.915 20.205,31.515 25.56,31.515 v3(26.725,30.35) 26.725,28.753 v3(27.126,28.351) 27.126,27.019 31.705,22.44 33.91,22.44 34.7,21.65 v3(34.7,19.925) ; v3(33.1,30.4) v3(34.8,30.4) 35.5,31.1 37.525,31.1 v3(38.225,30.4)
  Bottom Layer w0.3: R157.2@1.8,22.025 v3(1.8,22.75) ; R156.1@4.95,22.025 5.15,22.225 v3(5.15,22.8) ; L11.1@25.5,29.4 25.5,29.975 25.875,30.35 v3(26.725,30.35) ; v3(27.126,28.351) 27.45,28.675 27.647,28.675 27.797,28.525 28.253,28.525 28.575,28.847 28.575,29.303 28.227,29.651 28.227,29.899 28.425,30.097 28.425,30.11 29.265,30.95 29.928,30.95 30.478,30.4 30.622,30.4 31.172,30.95 31.628,30.95 32.178,30.4 v3(33.1,30.4)
3V3_HDMI: C20.2 R154.2 U4.18 | length 105.8
  Top Layer w0.2: C20.2@27.7,55.4 28.15,55.4 28.275,55.275 U4.18@29.9,55.275
  Top Layer w0.3: v3(25.7,54.875) 27.175,54.875 C20.2@27.7,55.4 C20.2@27.7,55.275
  Signal Layer 2 w0.5: v3(25.7,54.875) 25.847,54.875 25.872,54.85 26.328,54.85 26.353,54.875 26.9,54.328 26.9,52.6 ; 26.9,52.869 26.9,52.6 ; v3(70.95,53.375) 70.95,54.147 69.397,55.7 59.975,55.7 57.725,57.95 44.5,57.95 42.65,56.1 42.65,49.15 42.35,48.85 40.825,48.85 39.85,47.875 27.647,47.875 26.9,48.622 26.9,52.6
  Signal Layer 3 w0.5: v3(68.425,21.175) 67.325,22.275 67.325,26.561 67.35,26.586 67.35,30.825 69.765,33.24 69.944,33.24 71.019,34.315 72,34.315 74.475,36.79 74.475,41.55 73.05,42.975 73.05,48.775 70.65,51.175 70.65,53.075 v3(70.95,53.375)
  Bottom Layer w0.4: v3(68.425,21.175) R154.2@68.425,21.975
3V3_IOVCC: C140.2 C154.2 C171.2 R154.1 U14.3 U14.21 U14.46 | length 27.3
  Top Layer w0.3: U14.21@66.875,30.475 v3(68.1,30.475) ; U14.46@71.925,22.425 v3(71.925,23.65) ; U14.3@74.925,32.025 74.925,31.425 v3(75.4,30.95)
  Signal Layer 4 w0.5: v3(71.925,23.65) 71.115,22.84 69.235,22.84 v3(68.425,23.65) 67.23,24.845 67.23,29.605 v3(68.1,30.475) 69.44,31.815 74.535,31.815 v3(75.4,30.95)
  Bottom Layer w0.3: C154.2@67.325,30.475 v3(68.1,30.475) ; R154.1@68.425,22.875 v3(68.425,23.65) ; C171.2@71.925,22.875 v3(71.925,23.65) ; v3(75.4,30.95) 75.7,31.25 C140.2@75.7,32.025
3V3_ST_LINK: C93.2 C181.2 C184.2 C186.2 C188.2 C190.2 CN12.1 LD4.4 R158.2 R161.2 T3.3 U19.1 U19.9 U19.24 U19.36 U19.48 U34.5 | length 71.8
  Top Layer w0.3: C93.2@64.9,18.225 65.545,18.225 v3(65.898,17.872) 66.25,17.52 U19.1@66.25,17.225 ; U19.9@66.25,13.225 v3(67.525,13.225) ; v3(66.95,19.2) 67.425,18.725 U19.48@67.75,18.725 ; U19.24@73.25,10.225 73.25,9.825 74.025,9.825 v3(74.075,9.775) ; U19.36@74.75,17.225 v3(74.75,18.025)
  Top Layer w0.5: CN12.1@81.69,1.525 81.69,5.465 82.375,6.15 LD4.4@82.375,7.15
  Signal Layer 3 w0.5: v3(71.675,5.1) 71.675,7.375 v3(74.075,9.775) 75.845,9.775 76.83,8.79 78.93,8.79 81.69,6.03 CN12.1@81.69,1.525
  Signal Layer 4 w0.5: v3(65.898,17.872) 65.898,18.147 v3@65.905,18.155 ; v3(66.95,19.2) v3@65.905,18.155 ; v3(74.75,18.025) 74.75,15.895 75.305,15.34 75.305,10.74 74.34,9.775 v3(74.075,9.775) 69.215,9.775 67.525,11.465 v3(67.525,13.225) 65.905,14.845 v3@65.905,18.155
  Bottom Layer w0.3: C184.2@66.7,13.225 v3(67.525,13.225) 68.35,13.225 R161.2@68.45,13.325 ; C186.2@73.25,9.775 v3(74.075,9.775) ; R158.2@73.45,18.725 74.05,18.725 v3(74.75,18.025) 74.3,17.575 C181.2@74.3,17.225
  Bottom Layer w0.4: C188.2@79.425,7.575 79.85,7.575 80.3,8.025 U34.5@80.8,8.025 80.85,7.975 C190.2@80.85,6.4 80.85,5.365 81.69,4.525 CN12.1@81.69,1.525
  Bottom Layer w0.5: T3.3@70.525,5.175 70.6,5.1 v3(71.675,5.1)
5V: CN16.5 R165.2 | length 1.9
  Bottom Layer w0.3: R165.2@51.55,9.575 R165.2@51.56,9.585
  Bottom Layer w0.4: R165.2@51.56,9.585 CN16.5@51.56,11.475
5V_USB_ST_LINK: CN11.1 D2.1 R99.1 U21.5 | length 13.9
  Top Layer w0.3: CN11.1@74.2,4.15 74.2,7.525 73.575,8.15 R99.1@73.575,8.775 73.625,8.725 v3(74.4,8.725) ; U21.5@77.775,12.905 v3(77.775,13.9)